# Altium PCB AGRSHUB_PCBV1.1.PcbDoc (part 2 of 2)
Units mm, origin at the board's own origin, x right, y up, seen from the top; angles counter-clockwise.
Board outline 111.76 x 87.63 mm, 2 copper layers (Top Layer, Bottom Layer); 174 components, 133 nets, 585 pads, 133 vias.
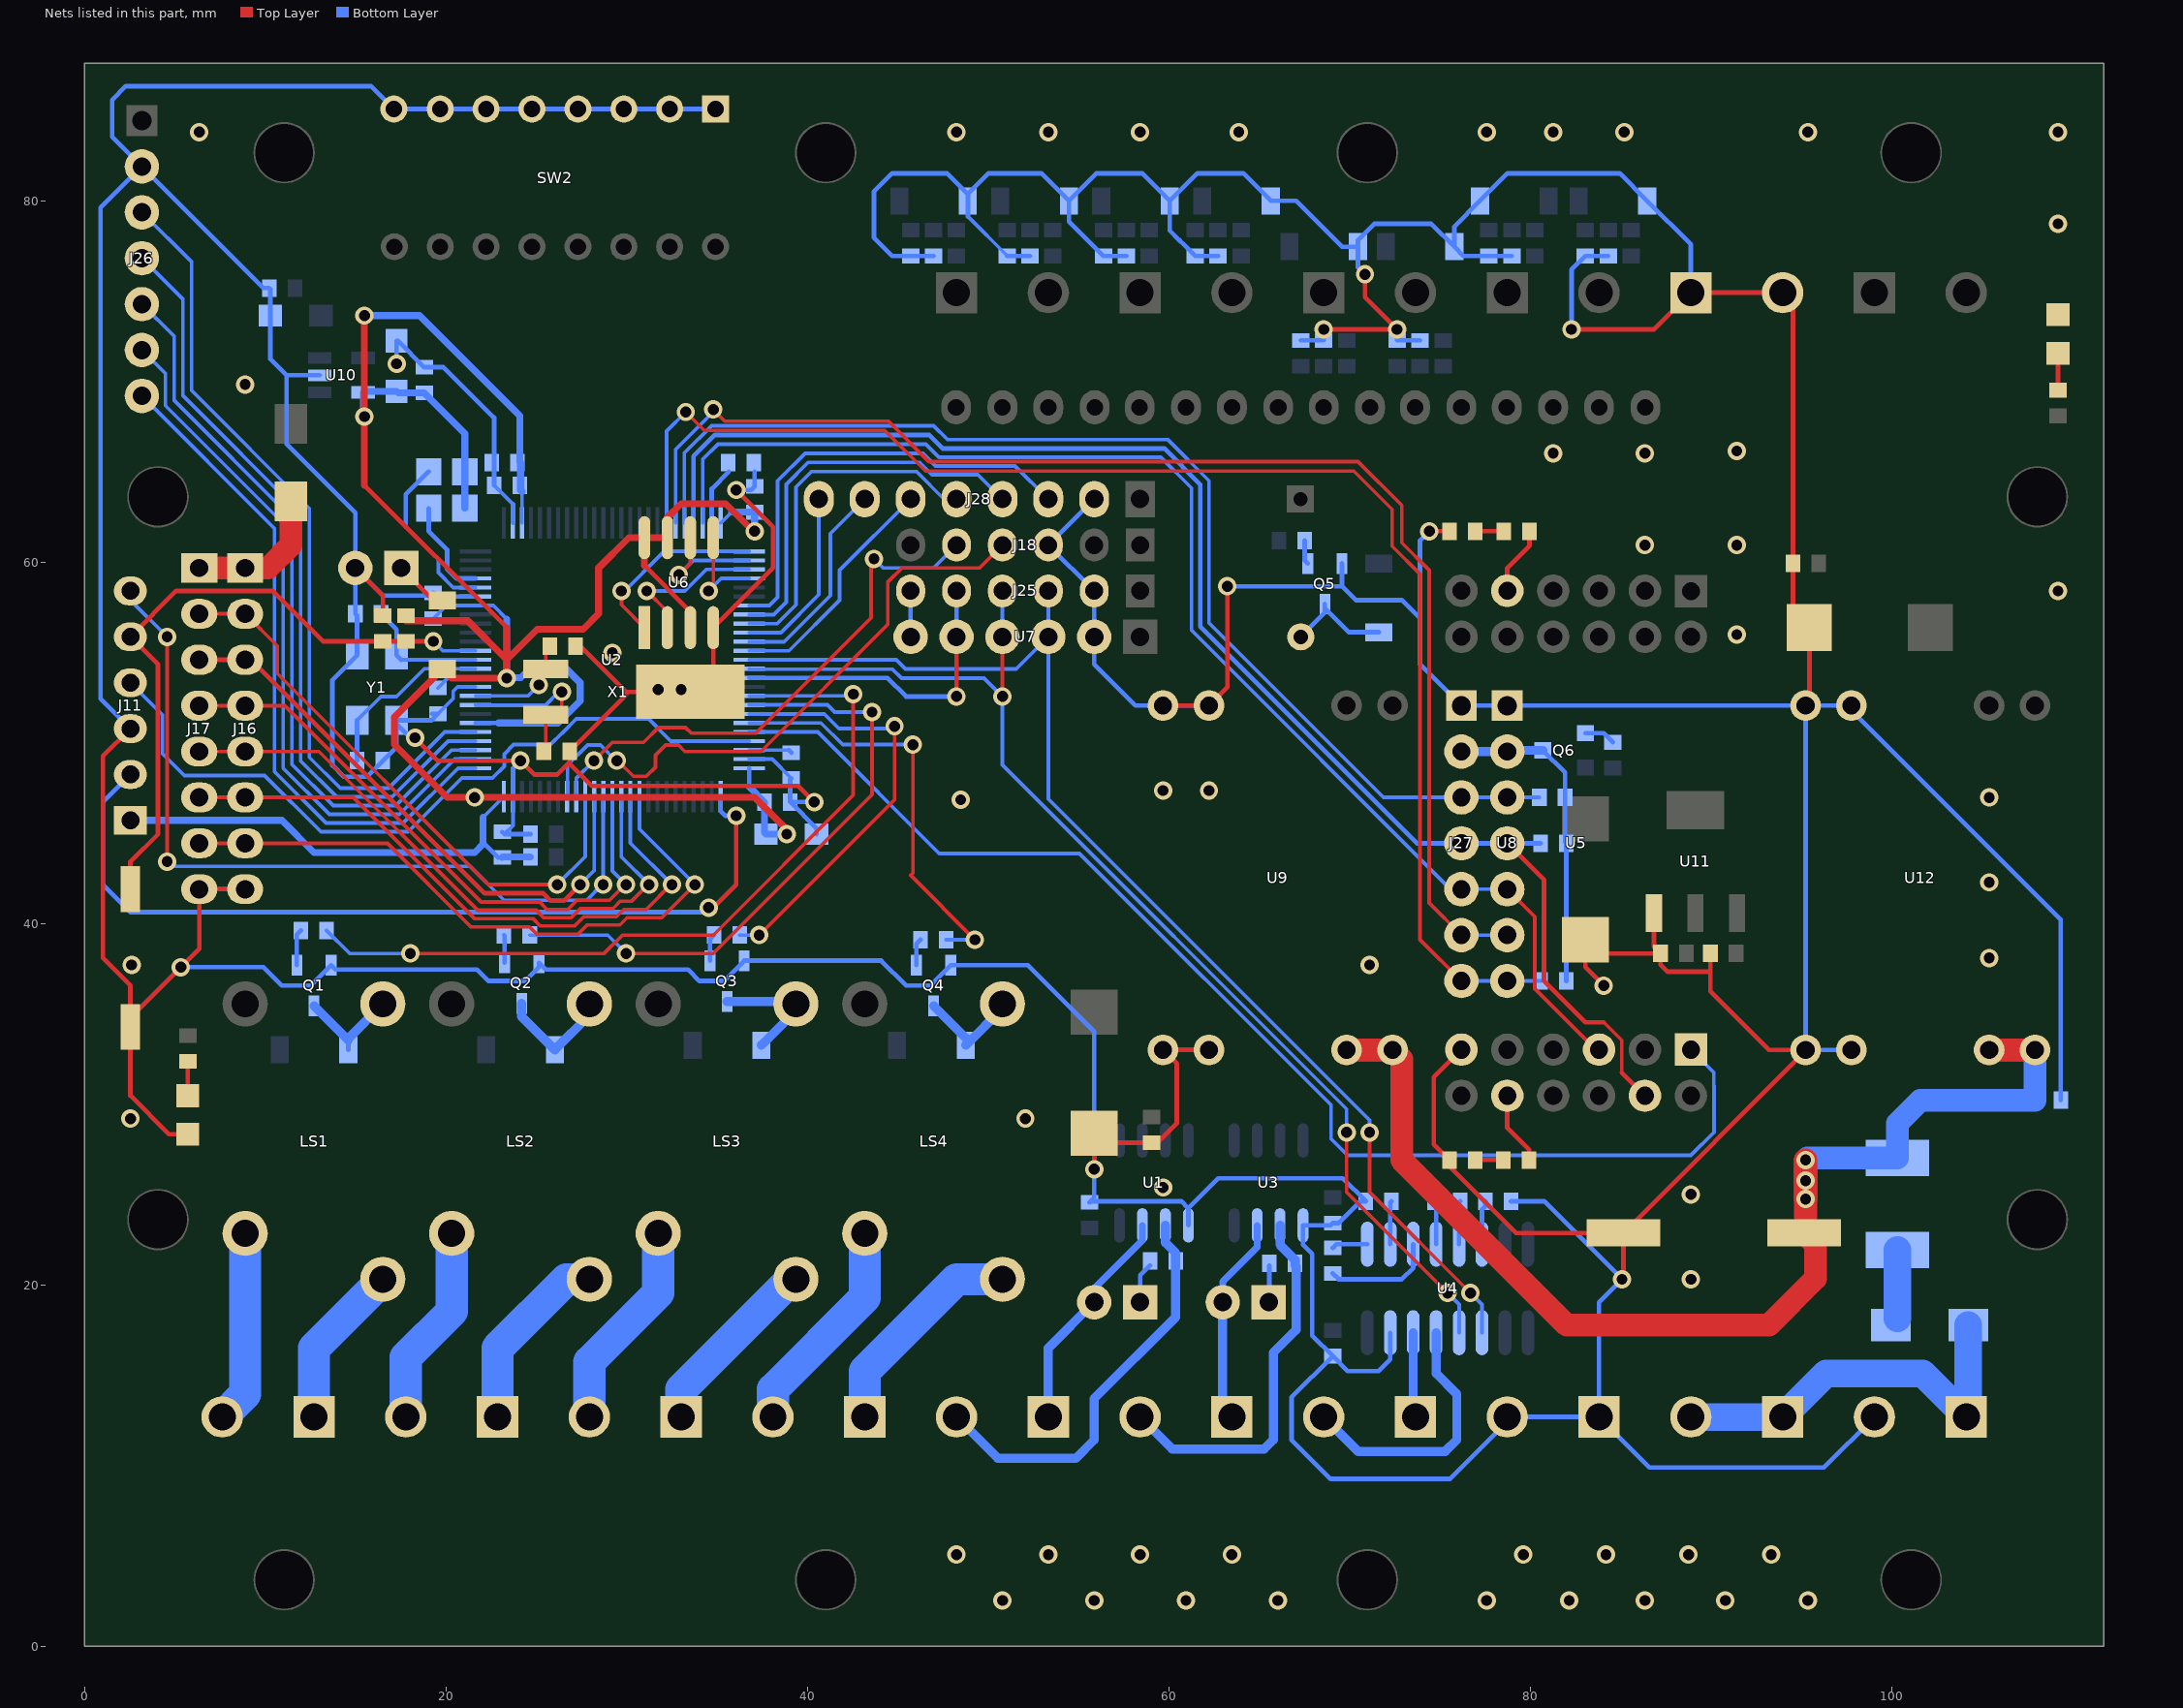
[diagram p2: the nets of this part, all layers, seen from the top]

## Via types
v1: diameter 1.016, hole 0.61, Top Layer to Bottom Layer, 133 vias

## Nets (pads, with @x,y where several pads share a name; then routed paths per layer and width w, separated by ;. In a path a pad name is that pad's centre, name@x,y a point inside that pad or via, vN(x,y) a via of type N, cw(c..) or ccw(c..) an arc to the next point about the centre after c; other vN are vias at no path point) (continued)
GND: C1.1 C2.1 C3.1 C4.1 C5.1 C6.1 C7.1 C8.1 C9.1 C10.1 C11.2 C12.2 C13.2 C14.1 C15.2 C16.1 C17.1 C18.1 C19.1 C20.1 C21.1 C22.1 C23.1 C24.2 C26.2 C28.1 C29.1 C30.2 C31.1 C32.2 C33.2 C34.1 C35.1 C36.2 C37.2 C38.1 C39.2 C40.2 C41.1 C42.1 C43.2 D1.1 D2.1 D5.1 D6.1 D9.1 D10.1 D12.1 D13.1 J11.3 J16.8 J17.8 J18.3 J23.1 J23.2 J25.2 J26.2 J27.1 J28.2 J30.2 J32.1 J32.2 JP1.2 LED1.2 LED2.2 LED3.2 LED4.2 Q1.2 Q2.2 Q3.2 Q4.2 Q5.2 R3.1 R4.1 R7.2 R13.1 R14.1 R18.1 R19.1 R23.1 R24.1 SW1.1 SW2.1 SW2.2 SW2.3 SW2.4 SW2.5 SW2.6 SW2.7 SW2.8 U1.5 U2.10 U2.20 U2.27 U2.74 U2.99 U3.5 U4.15 U5.23 U6.4 U7.2 U8.1 U9.1 U9.2 U9.7 U9.8 U10.2 U11.1 U12.1 U12.2 U12.7 U12.8 X1.3 Y1.2 Y1.4 | length 752.2
  Top Layer w0.254: J11.3@2.54,50.8 1.016,49.276 1.016,38.1 2.54,36.576 SW1.1@2.54,34.798 ; LED3.2@5.715,28.346 4.674,28.346 2.54,30.48 SW1.1@2.54,34.29 SW1.1@2.54,34.798 ; J16.8@8.89,41.91 J17.8@6.35,41.91 6.35,38.608 v1(5.334,37.592) SW1.1@2.54,34.798 ; JP1.2@14.986,59.69 16.51,58.166 C19.1@16.51,57.048 ; v1(18.288,50.292) 19.558,49.022 v1(24.13,49.022) 24.892,48.26 26.162,48.26 26.845,48.943 C12.2@26.845,49.53 ; C15.2@27.178,55.372 27.432,55.372 29.972,52.832 ; v1(36.068,64.008) 38.1,61.976 38.1,59.69 U6.4@34.798,56.388 34.798,54.102 X1.3@33.528,52.832 29.972,52.832 ; v1(40.386,46.736) 39.497,47.625 28.067,47.625 26.845,48.847 C12.2@26.845,49.53 ; v1(55.88,26.416) C30.2@55.88,28.403 56.408,27.875 C31.1@59.055,27.875 59.371,27.875 60.452,28.956 60.452,32.258 U9.1@59.69,33.02 U9.2@62.23,33.02 ; U9.8@59.69,52.07 U9.7@62.23,52.07 63.246,53.086 v1(63.246,58.674) ; v1(68.58,72.898) v1(72.644,72.898) 70.866,74.676 v1(70.866,75.946) ; v1(74.422,61.722) LED1.2@75.54,61.722 ; U5.23@76.2,33.03 74.676,31.506 74.676,27.788 LED2.2@75.54,26.924 75.54,26.568 79.223,22.885 C43.2@85.17,22.885 ; v1(82.296,72.898) 86.868,72.898 J32.1@88.9,74.93 J32.2@93.98,74.93 94.55,74.36 C41.1@94.55,59.944 94.55,57.297 C39.2@95.459,56.388 95.459,52.279 U12.8@95.25,52.07 ; v1(84.074,36.576) 83.058,37.592 C37.2@83.058,39.116 83.82,38.354 C38.1@87.224,38.354 ; v1(85.09,20.32) 85.17,20.4 C43.2@85.17,22.885 ; U11.1@86.854,40.584 86.854,38.724 C38.1@87.224,38.354 ; 89.978,37.338 87.63,37.338 87.224,37.744 C38.1@87.224,38.354 ; C42.1@89.978,38.354 89.978,36.26 93.218,33.02 U12.1@95.25,33.02 95.25,32.965 C43.2@85.17,22.885 ; C12.2@26.845,49.53 29.972,52.657 29.972,52.832
  Bottom Layer w0.203: C7.1@19.558,51.624 20.404,52.47 20.404,52.872 20.642,53.11 U2.10@21.635,53.11 ; C2.1@22.668,64.262 23.71,63.22 ; C4.1@23.241,44.958 23.71,45.427 U2.99@23.71,47.035 ; U2.74@36.785,49.11 38.052,49.11 C13.2@39.116,48.046 ; 48.89,79.146 C9.1@51.054,76.982
  Bottom Layer w0.254: J11.3@2.54,50.8 0.889,52.451 0.889,79.629 J26.2@3.175,81.915 ; v1(5.334,37.592) 9.906,37.592 10.922,36.576 12.525,36.576 Q1.2@13.65,37.701 13.886,37.465 21.717,37.465 22.352,36.83 24.384,36.83 25.146,37.592 Q2.2@25.146,37.846 25.527,37.465 33.401,37.465 34.036,36.83 35.385,36.83 Q3.2@36.51,37.955 44.087,37.955 45.466,36.576 46.815,36.576 Q4.2@47.94,37.701 52.215,37.701 55.88,34.036 v1(55.88,26.416) 55.88,24.83 55.688,24.638 60.706,24.638 61.087,24.257 ; J17.8@6.35,41.91 J16.8@8.89,41.91 ; U10.2@13.024,70.358 11.176,70.358 ; v1(17.272,70.993) 17.272,70.866 C33.2@17.272,72.265 17.335,72.265 C35.1@18.796,70.804 19.874,70.804 22.668,68.01 C2.1@22.668,64.262 ; v1(18.288,50.292) 18.288,50.038 Y1.4@17.272,51.054 ; C7.1@19.242,51.624 C7.1@19.558,51.624 19.191,51.257 Y1.4@17.272,51.257 Y1.4@17.272,51.054 ; U2.20@21.635,58.11 19.512,58.11 C3.1@19.304,58.318 19.152,58.166 16.51,58.166 JP1.2@14.986,59.69 ; C4.1@23.114,45.085 23.241,44.958 R7.2@24.678,44.958 ; U2.99@23.71,47.035 23.71,48.602 v1(24.13,49.022) ; U2.27@23.71,62.185 23.71,63.22 ; SW2.1@34.925,85.09 SW2.2@32.385,85.09 SW2.3@29.845,85.09 SW2.4@27.305,85.09 SW2.5@24.765,85.09 SW2.6@22.225,85.09 SW2.7@19.685,85.09 SW2.8@17.125,85.09 15.855,86.36 2.286,86.36 1.524,85.598 1.524,83.566 J26.2@3.175,81.915 ; v1(36.068,64.008) 36.892,64.008 C6.1@37.084,64.2 37.084,65.024 ; C13.2@39.116,48.046 39.054,47.984 C5.1@39.054,46.736 ; v1(40.386,46.736) C5.1@39.054,46.736 ; C36.2@40.515,44.958 40.515,45.275 C5.1@39.054,46.736 ; R3.1@46.99,76.962 C8.1@45.72,76.962 44.704,76.962 43.688,77.978 43.688,80.518 44.704,81.534 47.738,81.534 D1.1@48.888,80.384 ; 48.89,79.146 48.888,79.146 D1.1@48.888,80.01 D1.1@48.888,80.384 ; C9.1@51.054,76.982 C9.1@51.054,76.962 R4.1@52.324,76.962 ; C1.1@55.626,24.576 C1.1@55.66,24.61 ; J28.2@55.88,63.5 J18.3@53.34,60.96 J25.2@55.88,58.42 U7.2@55.88,55.88 55.88,54.356 58.166,52.07 U9.8@59.69,52.07 U9.7@62.23,52.07 ; R13.1@57.658,76.962 C17.1@56.388,76.962 55.753,77.597 55.748,77.597 55.524,77.82 55.524,77.826 54.476,78.874 D2.1@54.476,80.01 ; U9.1@59.69,33.02 U9.2@62.23,33.02 ; U1.5@61.087,23.304 61.087,24.257 ; R14.1@62.738,76.962 C18.1@61.468,76.962 60.833,77.597 60.828,77.597 60.604,77.82 60.604,77.826 60.064,78.366 D5.1@60.064,80.01 ; v1(63.246,58.674) 69.596,58.674 ; C22.1@67.31,72.288 R18.1@68.58,72.288 v1(68.58,72.898) ; Q5.2@69.596,59.944 69.596,58.674 ; v1(70.866,75.946) 70.478,76.334 D9.1@70.478,77.47 ; U4.15@72.263,17.362 72.263,15.875 71.628,15.24 69.912,15.24 C21.1@69.088,16.064 ; v1(72.644,72.898) C23.1@72.644,72.288 R19.1@73.914,72.288 ; v1(74.422,61.722) 73.914,61.214 73.914,56.896 ; J23.2@78.74,12.7 J23.2@78.994,12.7 ; C26.2@78.954,24.638 80.772,24.638 v1(85.09,20.32) 83.82,19.05 J23.1@83.82,12.7 ; R23.1@78.994,76.962 C28.1@77.724,76.962 76.32,76.962 D10.1@75.812,77.47 ; v1(82.296,72.898) 82.296,76.2 C29.1@83.058,76.962 R24.1@84.328,76.962 ; J32.1@88.9,74.93 88.9,77.59 D13.1@86.48,80.01 84.956,81.534 78.754,81.534 D12.1@77.23,80.01 75.812,78.593 D10.1@75.812,77.47 ; U12.2@97.79,33.02 U12.1@95.25,33.02 U12.8@95.25,52.07 ; J30.2@99.06,12.7 96.266,9.906 86.614,9.906 J23.1@83.82,12.7 ; C40.2@109.372,30.226 109.372,40.234 97.79,51.816 U12.7@97.79,52.07 U12.8@95.25,52.07 ; J26.2@3.175,81.915 9.906,75.184 C34.1@10.222,75.184 10.285,75.121 C32.2@10.285,73.66 10.285,71.249 11.176,70.358 ; 11.176,70.358 11.176,66.548 14.986,62.738 JP1.2@14.986,59.69 ; JP1.2@14.986,59.69 C20.1@14.986,57.15 15.088,57.048 Y1.2@15.088,54.864 13.716,53.492 13.716,48.768 14.351,48.133 15.626,48.133 16.51,49.017 C16.1@16.51,49.022 17.272,49.784 Y1.4@17.272,51.054 ; D1.1@48.888,80.384 50.038,81.534 52.952,81.534 D2.1@54.476,80.01 ; D2.1@54.476,80.01 56,81.534 58.54,81.534 D5.1@60.064,80.01 ; D5.1@60.064,80.01 61.588,81.534 64.128,81.534 D6.1@65.652,80.01 67.056,80.01 69.596,77.47 D9.1@70.478,77.47 ; 61.087,24.257 62.738,25.908 69.636,25.908 C24.2@70.906,24.638 70.612,24.638 69.404,23.43 C14.1@69.088,23.43 68.962,23.304 U3.5@67.437,23.304 67.437,22.225 67.945,21.717 67.945,17.202 69.083,16.064 C21.1@69.088,16.064 ; C21.1@69.088,16.064 66.802,13.778 66.802,11.43 68.961,9.271 75.565,9.271 J23.2@78.994,12.7 ; 69.596,58.674 70.358,57.912 72.898,57.912 73.914,56.896 ; D9.1@70.478,77.47 70.478,77.844 71.374,78.74 74.542,78.74 D10.1@75.812,77.47 ; 73.914,56.896 73.914,54.356 J27.1@76.2,52.07 U8.1@78.74,52.07 U12.8@95.25,52.07 ; J23.2@78.994,12.7 J23.1@83.82,12.7
  other v1: 50.8,2.54 55.88,2.54 60.96,2.54 66.04,2.54 77.597,2.54 82.169,2.54 86.36,2.54 90.805,2.54 95.377,2.54 48.26,5.08 53.34,5.08 58.42,5.08 63.5,5.08 79.629,5.08 84.201,5.08 88.773,5.08 93.345,5.08 88.9,20.32 88.9,25.019 59.69,25.4 2.54,29.21 52.07,29.21 2.608,37.719 71.12,37.719 105.41,38.1 105.41,42.291 48.49,46.863 105.41,46.99 59.69,47.371 62.23,47.371 31.75,52.959 33.02,52.959 29.21,54.991 91.44,56.007 109.22,58.42 86.36,60.96 91.44,60.96 81.28,66.04 86.36,66.04 91.44,66.167 8.89,69.85 109.22,78.74 6.35,83.82 48.26,83.82 53.34,83.82 58.42,83.82 63.881,83.82 77.597,83.82 81.28,83.82 85.217,83.82 95.377,83.82 109.22,83.82
GPS_EN: J25.5 U2.65 U7.5 | length 17.7
  Top Layer w0.254: v1(48.26,52.578) U7.5@48.26,55.88
  Bottom Layer w0.254: U2.65@36.785,53.61 36.788,53.607 44.437,53.607 45.466,52.578 v1(48.26,52.578) ; U7.5@48.26,55.88 J25.5@48.26,58.42
GPS_RX: J25.3 U2.63 U4.11 U7.3 | length 68.5
  Top Layer w0.203: v1(71.12,28.448) 71.12,25.146 v1(76.708,19.558)
  Bottom Layer w0.203: U2.63@36.785,54.61 44.92,54.61 45.428,54.102 51.562,54.102 U7.3@53.34,55.88 ; J25.3@53.34,58.42 U7.3@53.34,55.88 ; v1(71.12,28.448) 71.12,29.123 53.34,46.903 U7.3@53.34,55.88 ; v1(76.708,19.558) 77.343,18.923 U4.11@77.343,17.362
GPS_TX: J25.4 U2.64 U4.12 U7.4 | length 66.2
  Top Layer w0.203: v1(50.8,52.578) U7.4@50.8,55.88 ; v1(69.85,28.448) 69.85,25.146 v1(75.438,19.558)
  Bottom Layer w0.203: U2.64@36.785,54.11 36.802,54.093 37.613,54.093 37.616,54.089 44.717,54.089 45.212,53.594 49.784,53.594 v1(50.8,52.578) 50.8,48.796 69.85,29.746 v1(69.85,28.448) ; U7.4@50.8,55.88 J25.4@50.8,58.42 ; v1(75.438,19.558) 76.073,18.923 U4.12@76.073,17.362
GSM_AVAI: J16.2 J17.2 U2.91 | length 32.4
  Top Layer w0.203: J17.2@6.35,57.15 J16.2@8.89,57.15 10.668,55.372 10.668,53.851 22.355,42.164 v1(26.162,42.164)
  Bottom Layer w0.203: v1(26.162,42.164) 27.71,43.712 U2.91@27.71,47.035
GSM_DTR: J16.4 J17.4 U2.88 | length 34
  Top Layer w0.203: J17.4@6.35,52.07 J16.4@8.89,52.07 11.084,52.07 21.955,41.199 25.187,41.199 25.594,40.792 26.743,40.792 27.251,41.3 29.06,41.3 29.923,42.164 v1(29.972,42.164)
  Bottom Layer w0.203: U2.88@29.21,47.035 29.21,42.926 v1(29.972,42.164)
GSM_KEY: J16.3 J17.3 U2.90 | length 32.2
  Top Layer w0.254: J17.3@6.35,54.61 J16.3@8.89,54.61 9.226,54.61 22.155,41.681 25.387,41.681 25.794,41.275 26.543,41.275 v1(27.432,42.164)
  Bottom Layer w0.203: v1(27.432,42.164) 28.21,42.942 U2.90@28.21,47.035
GSM_RST: J16.7 J17.7 U2.85 | length 36.8
  Top Layer w0.203: J17.7@6.35,44.45 J16.7@8.89,44.45 16.764,44.45 21.387,39.827 24.619,39.827 25.026,39.421 27.311,39.421 27.819,39.929 29.628,39.929 30.034,40.335 31.953,40.335 v1(33.782,42.164)
  Bottom Layer w0.203: U2.85@30.71,47.035 30.71,45.236 v1(33.782,42.164)
GSM_RX: J16.6 J17.6 U2.86 | length 35.9
  Top Layer w0.203: J17.6@6.35,46.99 J16.6@8.89,46.99 14.871,46.99 21.576,40.284 24.809,40.284 25.215,39.878 27.122,39.878 27.63,40.386 29.438,40.386 29.845,40.792 31.092,40.792 32.463,42.164 v1(32.512,42.164)
  Bottom Layer w0.203: U2.86@30.21,47.035 30.21,44.466 v1(32.512,42.164)
GSM_TX: J16.5 J17.5 U2.87 | length 35
  Top Layer w0.203: J17.5@6.35,49.53 J16.5@8.89,49.53 12.977,49.53 21.766,40.742 24.998,40.742 25.404,40.335 26.932,40.335 27.44,40.843 29.249,40.843 29.655,41.25 30.279,41.25 31.193,42.164 v1(31.242,42.164)
  Bottom Layer w0.203: U2.87@29.71,47.035 29.71,43.696 v1(31.242,42.164)
IN0: J26.3 U2.5 | length 45.2
  Bottom Layer w0.203: J26.3@3.175,79.375 5.931,76.619 5.931,69.507 12.446,62.992 12.446,49.212 14.16,47.498 16.828,47.498 19.94,50.61 U2.5@21.635,50.61
IN1: J26.4 U2.4 | length 43.2
  Bottom Layer w0.203: J26.4@3.175,76.835 5.448,74.562 5.448,69.228 11.963,62.713 11.963,49.012 13.96,47.015 17.028,47.015 20.123,50.11 U2.4@21.635,50.11
IN2: J26.5 U2.3 | length 41.3
  Bottom Layer w0.203: J26.5@3.175,74.295 4.966,72.504 4.966,68.948 11.481,62.433 11.481,48.812 13.76,46.533 17.228,46.533 20.305,49.61 U2.3@21.635,49.61
IN3: J26.6 U2.2 | length 39.4
  Bottom Layer w0.203: J26.6@3.175,71.755 4.483,70.447 4.483,68.673 4.481,68.671 10.998,62.154 10.998,48.612 13.56,46.05 17.428,46.05 20.488,49.11 U2.2@21.635,49.11
IN4: J26.7 U2.1 | length 37.4
  Bottom Layer w0.203: J26.7@3.175,69.215 10.516,61.874 10.516,48.412 13.36,45.568 17.628,45.568 20.67,48.61 U2.1@21.635,48.61
LCD_CS: J28.5 U2.59 | length 19.4
  Bottom Layer w0.203: U2.59@36.785,56.61 38.322,56.61 39.37,57.658 39.37,64.167 40.227,65.024 46.044,65.024 47.568,63.5 J28.5@48.26,63.5
LCD_DI: J28.6 U2.62 | length 13.4
  Bottom Layer w0.203: U2.62@36.785,55.11 38.981,55.11 41.783,57.912 41.783,59.563 J28.6@45.72,63.5
LCD_LIGHT: J28.4 U2.58 | length 22.2
  Bottom Layer w0.203: U2.58@36.785,57.11 38.14,57.11 38.837,57.807 38.837,64.316 40.052,65.532 46.219,65.532 46.892,64.859 49.441,64.859 J28.4@50.8,63.5
LCD_PWR: J28.3 U2.57 | length 24.9
  Bottom Layer w0.203: U2.57@36.785,57.61 37.897,57.61 38.354,58.067 38.354,64.516 39.878,66.04 46.393,66.04 47.092,65.341 51.498,65.341 J28.3@53.34,63.5
LCD_RST: J28.8 U2.60 | length 10
  Bottom Layer w0.203: U2.60@36.785,56.11 38.537,56.11 40.64,58.213 J28.8@40.64,63.5
LCD_SCK: J28.7 U2.61 | length 11.7
  Bottom Layer w0.203: U2.61@36.785,55.61 38.719,55.61 41.275,58.166 41.275,61.595 J28.7@43.18,63.5
M*A: J12.2 R12.1 U3.6 | length 21.1
  Bottom Layer w0.254: R12.1@66.994,21.082 R12.1@67.056,21.02
  Bottom Layer w0.508: J12.2@58.42,12.7 60.198,10.922 65.278,10.922 65.786,11.43 65.786,16.256 67.056,17.526 R12.1@67.056,21.02 ; U3.6@66.167,23.304 66.167,22.225 66.994,21.398 R12.1@66.994,21.082
M*B: J12.1 U3.7 W3.2 | length 11.6
  Bottom Layer w0.381: W3.2@62.992,19.05 62.992,20.193 64.897,22.098 U3.7@64.897,23.304
  Bottom Layer w0.508: W3.2@62.992,19.05 62.992,13.208 J12.1@63.5,12.7
NetB1_1: B1.1 U2.22 | length 5.6
  Bottom Layer w0.254: B1.1@19.05,62.992 19.05,61.722 20.066,60.706 20.066,59.631 20.587,59.11 U2.22@21.635,59.11
NetB2_1: B2.1 U2.21 | length 9.3
  Bottom Layer w0.203: 17.78,61.976 19.583,60.173 19.583,59.431 20.404,58.61 U2.21@21.635,58.61
  Bottom Layer w0.254: 17.78,61.976 17.78,63.754 B2.1@19.05,65.024
NetBUZZ1_2: BUZZ1.2 D15.1 Q5.3 | length 5.9
  Bottom Layer w0.254: BUZZ1.2@67.31,55.88 68.646,57.216 Q5.3@68.646,57.455 ; Q5.3@68.646,57.694 Q5.3@68.646,57.455 ; D15.1@71.628,56.134 69.967,56.134 Q5.3@68.646,57.455
NetC11_1: C11.1 U2.49 | length 3.2
  Bottom Layer w0.254: U2.49@34.71,62.185 34.71,64.072 35.662,65.024
NetC12_1: C12.1 U2.8 X1.1 | length 9.1
  Top Layer w0.203: C12.1@25.422,49.53 25.528,49.636 X1.1@25.528,51.562 26.036,51.562 26.416,51.942 v1(26.416,52.832)
  Bottom Layer w0.203: U2.8@21.635,52.11 21.65,52.095 25.505,52.095 26.242,52.832 v1(26.416,52.832)
NetC13_1: C13.1 U2.73 | length 2.4
  Bottom Layer w0.203: U2.73@36.785,49.61 C13.1@38.974,49.61
  Bottom Layer w0.254: C13.1@38.974,49.61 C13.1@39.116,49.468
NetC15_1: C15.1 U2.9 X1.2 | length 6.2
  Top Layer w0.203: v1(25.146,53.213) 25.146,53.72 X1.2@25.528,54.102 25.528,55.144 C15.1@25.756,55.372
  Bottom Layer w0.203: U2.9@21.635,52.61 24.543,52.61 v1(25.146,53.213)
NetC16_2: C16.2 U2.12 Y1.1 | length 10
  Bottom Layer w0.203: Y1.1@15.088,51.257 16.408,52.578 17.272,52.578 18.804,54.11 U2.12@21.635,54.11
  Bottom Layer w0.254: C16.2@15.088,49.022 Y1.1@15.088,51.257
NetC20_2: C20.2 U2.13 Y1.3 | length 7.1
  Bottom Layer w0.203: Y1.3@17.526,54.61 U2.13@21.635,54.61
  Bottom Layer w0.254: C20.2@16.408,57.15 17.272,56.286 Y1.3@17.272,54.864 Y1.3@17.526,54.61
NetC24_1: C24.1 U4.2 | length 2.4
  Bottom Layer w0.254: U4.2@72.263,22.262 72.263,24.573 C24.1@72.328,24.638
NetC25_1: C25.1 U4.3 | length 6.1
  Bottom Layer w0.254: C25.1@69.088,20.636 69.404,20.32 72.898,20.32 73.533,20.955 U4.3@73.533,22.262
NetC25_2: C25.2 U4.1 | length 2
  Bottom Layer w0.254: C25.2@69.088,22.058 69.292,22.262 U4.1@70.993,22.262
NetC26_1: C26.1 U4.6 | length 2.5
  Bottom Layer w0.254: U4.6@77.343,22.262 77.343,24.195 77.532,24.384 C26.1@77.532,24.638
NetC27_1: C27.1 U4.5 | length 2.4
  Bottom Layer w0.254: U4.5@76.073,22.262 76.073,24.573 C27.1@76.138,24.638
NetC27_2: C27.2 U4.4 | length 2.4
  Bottom Layer w0.254: C27.2@74.716,24.638 74.803,24.551 U4.4@74.803,22.262
NetD3_1: D3.1 JP1.1 | length 3
  Top Layer w0.254: JP1.1@17.526,59.69 19.318,57.898 D3.1@19.812,57.898
NetD4_1: D4.1 LS1.2 Q1.3 | length 6
  Bottom Layer w0.254: D4.1@14.598,33.02 14.598,33.553 D4.1@14.598,33.648
  Bottom Layer w0.508: Q1.3@12.7,35.451 D4.1@14.598,33.553 ; D4.1@14.598,33.648 LS1.2@16.51,35.56
NetD7_1: D7.1 LS2.2 Q2.3 | length 6.7
  Bottom Layer w0.254: LS2.2@27.94,34.932 LS2.2@27.94,35.56
  Bottom Layer w0.508: Q2.3@24.196,35.596 24.196,34.852 D7.1@26.028,33.02 LS2.2@27.94,34.932
NetD8_2: D8.2 J16.1 J17.1 | length 8
  Top Layer w1.27: J17.1@6.35,59.69 J16.1@8.89,59.69 10.16,59.69 11.43,60.96 D8.2@11.43,63.384
NetD11_1: D11.1 LS3.2 Q3.3 | length 7
  Bottom Layer w0.254: LS3.2@39.038,35.705 LS3.2@39.37,35.373 ; LS3.2@39.37,35.186 LS3.2@39.37,35.373 ; LS3.2@39.37,35.56 LS3.2@39.37,35.373
  Bottom Layer w0.508: Q3.3@35.56,35.705 LS3.2@39.038,35.705 ; D11.1@37.458,33.274 LS3.2@39.37,35.186
NetD14_1: D14.1 LS4.2 Q4.3 | length 6
  Bottom Layer w0.254: D14.1@48.768,33.274 D14.1@48.768,33.673 ; LS4.2@50.8,35.306 LS4.2@50.8,35.56
  Bottom Layer w0.508: Q4.3@46.99,35.451 D14.1@48.768,33.673 ; D14.1@48.768,33.274 LS4.2@50.8,35.306
NetD16_2: D16.2 PPTC1.1 | length 4.3
  Bottom Layer w0.254: D16.2@99.96,17.78 D16.2@100.33,18.15
  Bottom Layer w1.524: D16.2@100.33,18.15 PPTC1.1@100.33,21.938
NetJ4_1: J4.1 LS1.4 | length 9.2
  Bottom Layer w1.778: J4.1@12.7,12.7 12.7,16.51 LS1.4@16.51,20.32
NetJ4_2: J4.2 LS1.3 | length 10.7
  Bottom Layer w1.778: J4.2@7.62,12.7 8.89,13.97 LS1.3@8.89,22.86
NetJ13_1: J13.1 LS2.4 | length 10.5
  Bottom Layer w1.778: J13.1@22.86,12.7 22.86,16.51 26.67,20.32 LS2.4@27.94,20.32
NetJ13_2: J13.2 LS2.3 | length 11.2
  Bottom Layer w1.778: J13.2@17.78,12.7 17.78,16.002 20.32,18.542 LS2.3@20.32,22.86
NetJ19_1: J19.1 LS3.4 | length 10.4
  Bottom Layer w1.778: J19.1@33.02,12.7 33.02,14.224 39.116,20.32 LS3.4@39.37,20.32
NetJ19_2: J19.2 LS3.3 | length 11.7
  Bottom Layer w1.778: J19.2@27.94,12.7 27.94,15.748 31.75,19.558 LS3.3@31.75,22.86
NetJ24_1: J24.1 LS4.4 | length 12.3
  Bottom Layer w1.778: J24.1@43.18,12.7 43.18,15.24 48.26,20.32 LS4.4@50.8,20.32
NetJ24_2: J24.2 LS4.3 | length 12.3
  Bottom Layer w1.778: J24.2@38.1,12.7 38.1,14.224 43.18,19.304 LS4.3@43.18,22.86
NetJ25_6: J25.6 U7.6 | length 2.5
  Bottom Layer w0.254: U7.6@45.72,55.88 J25.6@45.72,58.42
NetJ27_2: J27.2 Q6.3 R30.2 R31.2 R32.2 U8.2 | length 17.8
  Bottom Layer w0.254: U8.2@78.74,49.53 U8.2@78.806,49.596 ; Q6.3@80.708,49.596 81.94,48.364 R30.2@81.94,46.99 81.94,44.512 R31.2@82.002,44.45 R32.2@82.002,36.83
  Bottom Layer w0.508: J27.2@76.2,49.53 U8.2@78.74,49.53 ; U8.2@78.806,49.596 Q6.3@80.708,49.596
NetLED1_1: LED1.1 R26.1 | length 1.6
  Top Layer w0.254: LED1.1@76.962,61.722 R26.1@78.548,61.722
NetLED2_1: LED2.1 R28.2 | length 1.6
  Top Layer w0.254: LED2.1@76.962,26.924 R28.2@78.526,26.924
NetLED3_1: LED3.1 R33.1 | length 1.9
  Top Layer w0.254: LED3.1@5.715,30.48 R33.1@5.715,32.385
NetLED4_1: LED4.1 R34.1 | length 2
  Top Layer w0.254: R34.1@109.22,69.534 LED4.1@109.22,71.577
NetQ1_1: Q1.1 R8.2 | length 2
  Bottom Layer w0.254: Q1.1@11.75,37.701 11.75,39.396 R8.2@11.978,39.624
NetQ2_1: Q2.1 R15.2 | length 1.5
  Bottom Layer w0.254: R15.2@23.216,39.37 23.246,39.34 Q2.1@23.246,37.846
NetQ3_1: Q3.1 R22.2 | length 1.5
  Bottom Layer w0.254: Q3.1@34.61,37.955 34.61,39.142 R22.2@34.838,39.37
NetQ4_1: Q4.1 R25.2 | length 1.5
  Bottom Layer w0.254: Q4.1@46.04,37.701 46.04,38.888 R25.2@46.268,39.116
NetQ5_1: Q5.1 R27.2 | length 1.3
  Bottom Layer w0.254: R27.2@67.524,61.214 67.524,60.116 Q5.1@67.696,59.944
NetR5_2: R5.2 W1.1 | length 2.3
  Bottom Layer w0.254: W1.1@58.42,19.05 58.42,20.534 R5.2@58.968,21.082
NetR12_2: R12.2 W3.1 | length 2
  Bottom Layer w0.254: W3.1@65.532,19.05 65.572,19.09 R12.2@65.572,21.082
NetR26_2: R26.2 U5.9 | length 3.8
  Top Layer w0.254: U5.9@78.74,58.43 78.74,59.69 79.97,60.92 R26.2@79.97,61.722
NetR28_1: R28.1 U5.22 | length 4.1
  Top Layer w0.254: U5.22@78.74,30.48 78.74,28.702 79.948,27.494 R28.1@79.948,26.924
NRST: C19.2 J11.5 R11.1 SW1.2 U2.14 | length 36.8
  Top Layer w0.254: SW1.2@2.54,41.91 2.54,43.434 4.064,44.958 4.064,54.356 J11.5@2.54,55.88 5.08,58.42 10.414,58.42 13.208,55.626 C19.2@16.51,55.626 R11.1@17.78,55.626 v1(19.304,55.626)
  Bottom Layer w0.203: v1(19.304,55.626) 19.82,55.11 U2.14@21.635,55.11
REL0: R8.1 U2.67 | length 44.9
  Top Layer w0.203: v1(18.034,38.354) 28.751,38.354 29.767,39.37 34.798,39.37 42.545,47.117 v1(42.545,52.705)
  Bottom Layer w0.203: R8.1@13.4,39.624 14.67,38.354 v1(18.034,38.354) ; U2.67@36.785,52.61 42.64,52.61 v1(42.545,52.705)
REL1: R15.1 U2.68 | length 34.5
  Top Layer w0.203: v1(29.972,38.354) 34.798,38.354 43.586,47.142 v1(43.586,51.714)
  Bottom Layer w0.203: R15.1@24.638,39.37 28.956,39.37 v1(29.972,38.354) ; U2.68@36.785,52.11 41.123,52.11 41.519,51.714 v1(43.586,51.714)
REL2: R22.1 U2.69 | length 24.2
  Top Layer w0.203: v1(37.338,39.37) 44.831,46.863 v1(44.831,50.927)
  Bottom Layer w0.203: R22.1@36.26,39.37 v1(37.338,39.37) ; U2.69@36.785,51.61 40.941,51.61 41.751,50.8 44.704,50.8 v1(44.831,50.927)
REL3: R25.1 U2.70 | length 23.5
  Top Layer w0.203: v1(45.847,49.911) 45.847,42.799 45.72,42.672 v1(49.276,39.116)
  Bottom Layer w0.203: U2.70@36.785,51.11 40.758,51.11 41.957,49.911 v1(45.847,49.911) ; R25.1@47.69,39.116 v1(49.276,39.116)
RF_AUX: J27.6 U2.45 U8.6 | length 75.1
  Top Layer w0.203: v1(34.798,68.461) 35.441,67.818 44.494,67.818 46.729,65.583 70.47,65.583 72.898,63.155 72.898,61.087 74.422,59.563 74.422,41.148 J27.6@76.2,39.37
  Bottom Layer w0.203: U2.45@32.71,62.185 32.71,66.253 34.798,68.341 v1(34.798,68.461) ; J27.6@76.2,39.37 U8.6@78.74,39.37
RF_EN: Q6.1 R29.1 | length 1.7
  Bottom Layer w0.254: Q6.1@83.058,50.546 84.074,50.546 R29.1@84.582,50.038
RF_RX: J27.4 R31.1 U2.47 U5.16 U8.4 | length 82.8
  Top Layer w0.203: 84.082,34.544 85.076,33.55 85.076,31.764
  Top Layer w0.254: U8.4@78.74,44.45 80.772,42.418 80.772,36.83 83.058,34.544 84.082,34.544 ; 85.076,31.764 U5.16@86.36,30.48
  Bottom Layer w0.254: U2.47@33.71,62.185 33.71,65.888 34.878,67.056 46.742,67.056 47.491,66.307 59.757,66.307 61.747,64.316 61.747,56.442 73.74,44.45 J27.4@76.2,44.45 U8.4@78.74,44.45 R31.1@80.58,44.45
RF_SETA: J27.3 R30.1 U2.46 U8.3 | length 65
  Bottom Layer w0.203: U2.46@33.21,62.185 33.198,62.197 33.198,66.059 34.703,67.564 46.99,67.564 47.752,66.802 59.944,66.802 62.23,64.516 62.23,56.642 71.882,46.99 J27.3@76.2,46.99 U8.3@78.74,46.99 R30.1@80.518,46.99
RF_SETB: J27.7 R32.1 U2.44 U8.7 | length 80
  Top Layer w0.203: v1(33.274,68.326) 34.29,67.31 44.283,67.31 46.544,65.049 70.249,65.049 72.366,62.932 72.366,60.9 73.914,59.353 73.914,39.116 J27.7@76.2,36.83
  Bottom Layer w0.203: U2.44@32.21,62.185 32.21,67.262 v1(33.274,68.326) ; J27.7@76.2,36.83 U8.7@78.74,36.83 R32.1@80.58,36.83
RF_TX: J27.5 U2.48 U5.17 U8.5 | length 74.3
  Top Layer w0.203: U8.5@78.74,41.91 80.264,40.386 80.264,36.402 83.636,33.03 U5.17@83.82,33.03
  Bottom Layer w0.203: U2.48@34.21,62.185 34.21,65.706 35.052,66.548 46.568,66.548 47.292,65.824 59.557,65.824 61.265,64.116 61.265,56.242 75.597,41.91 J27.5@76.2,41.91 U8.5@78.74,41.91
RS232_RX*: J20.1 U4.14 | length 4.7
  Bottom Layer w0.254: J20.1@73.533,12.827 J20.1@73.66,12.7
  Bottom Layer w0.508: J20.1@73.533,12.827 U4.14@73.533,17.362
RS232_TX*: J20.2 U4.13 | length 14.8
  Bottom Layer w0.508: J20.2@68.58,12.7 70.485,10.795 75.311,10.795 75.946,11.43 75.946,13.97 74.803,15.113 U4.13@74.803,17.362
S*A: J7.2 R5.1 U1.6 | length 23
  Bottom Layer w0.508: J7.2@48.26,12.7 50.546,10.414 54.864,10.414 55.88,11.43 55.88,13.716 60.39,18.226 60.39,21.779 59.817,22.352 U1.6@59.817,23.304
S*B: J7.1 U1.7 W1.2 | length 12.8
  Bottom Layer w0.254: W1.2@55.88,19.05 W1.2@55.88,19.812
  Bottom Layer w0.381: W1.2@55.88,19.812 58.547,22.479 U1.7@58.547,23.304
  Bottom Layer w0.508: J7.1@53.34,12.7 53.34,16.51 W1.2@55.88,19.05
SPI2_SCK: U2.52 U6.6 | length 6.5
  Top Layer w0.203: v1(32.893,59.309) 33.528,59.944 U6.6@33.528,61.366
  Bottom Layer w0.203: v1(32.893,59.309) 33.694,60.11 U2.52@36.785,60.11
SPI2_SI: U2.54 U6.5 | length 5.6
  Top Layer w0.203: v1(34.544,58.42) 34.798,58.674 U6.5@34.798,61.366
  Bottom Layer w0.203: v1(34.544,58.42) 35.234,59.11 U2.54@36.785,59.11
SPI2_SO: U2.53 U6.2 | length 8.7
  Top Layer w0.203: v1(31.115,58.42) 32.258,57.277 U6.2@32.258,56.388
  Bottom Layer w0.203: v1(31.115,58.42) 33.225,58.42 34.415,59.61 U2.53@36.785,59.61
SST_CS: U2.51 U6.1 | length 10.8
  Top Layer w0.203: v1(29.718,58.42) 29.718,57.658 U6.1@30.988,56.388
  Bottom Layer w0.203: v1(29.718,58.42) 29.718,58.244 32.084,60.61 U2.51@36.785,60.61
SWCLK: J11.2 U2.76 | length 48.6
  Top Layer w0.254: v1(34.544,40.894) 34.798,40.894 36.068,42.164 v1(36.068,45.974)
  Bottom Layer w0.254: J11.2@2.54,48.26 1.016,46.736 1.016,42.164 2.54,40.64 34.29,40.64 v1(34.544,40.894) ; U2.76@35.21,47.035 35.21,46.228 35.464,45.974 v1(36.068,45.974)
SWDIO: J11.4 U2.72 | length 42.4
  Bottom Layer w0.203: J11.4@2.54,53.34 4.318,51.562 4.318,49.403 5.524,48.197 9.97,48.197 13.081,45.085 17.907,45.085 20.885,48.063 22.58,48.063 23.227,48.71 23.227,49.389 23.749,49.911 25.781,49.911 26.434,50.564 26.444,50.564 27.214,51.333 31.217,51.333 32.44,50.11 U2.72@36.785,50.11
SWO: J11.6 U2.89 | length 46.4
  Top Layer w0.203: v1(4.572,43.434) v1(4.572,55.88)
  Bottom Layer w0.203: J11.6@2.54,58.42 2.54,57.912 v1(4.572,55.88) ; v1(4.572,43.434) 4.435,43.18 21.336,43.18 23.216,41.3 27.79,41.3 28.653,42.164 v1(28.702,42.164) 28.71,42.172 U2.89@28.71,47.035
UART1_RX: J18.4 U2.93 | length 34.4
  Top Layer w0.203: v1(29.464,49.022) 29.513,49.022 30.376,48.158 31.092,48.158 31.598,48.664 31.598,49.329 32.154,49.886 32.87,49.886 33.225,49.53 37.43,49.53 44.45,56.55 44.45,58.899 45.241,59.69 49.53,59.69 J18.4@50.8,60.96
  Bottom Layer w0.203: U2.93@26.71,47.035 26.727,47.052 26.727,48.777 27.836,49.886 28.552,49.886 29.415,49.022 v1(29.464,49.022)
UART1_TX: J18.5 U2.92 | length 29.9
  Top Layer w0.203: v1(28.194,49.022) 29.21,50.038 30.942,50.038 31.754,50.851 33.27,50.851 33.574,50.546 37.153,50.546 43.536,56.928 43.536,60.046 v1(43.688,60.198)
  Bottom Layer w0.203: U2.92@27.21,47.035 27.21,48.038 v1(28.194,49.022) ; v1(43.688,60.198) 44.196,59.69 46.99,59.69 J18.5@48.26,60.96
VCC3V3: B1.2 B2.2 C2.2 C3.2 C4.2 C5.2 C6.2 C7.2 C10.2 C33.1 C35.2 C36.1 D3.2 J11.1 R6.2 R11.2 U2.6 U2.11 U2.19 U2.28 U2.50 U2.75 U2.100 U6.3 U6.7 U6.8 U10.5 | length 179.1
  Top Layer w0.254: 15.494,64.262 23.368,56.388 ; 30.988,59.817 U6.3@33.528,57.277
  Top Layer w0.381: 15.494,64.262 v1(15.494,68.072) v1(15.494,73.66) ; R11.2@17.78,57.048 17.78,56.769 21.209,56.769 23.368,54.61 ; 23.368,56.388 23.368,54.61 ; 30.988,59.817 U6.8@30.988,61.366 ; U6.3@33.528,56.388 U6.3@33.528,57.277 ; v1(37.084,61.722) 37.007,61.722 35.483,63.246 33.02,63.246 32.258,62.484 U6.7@32.258,61.366 U6.8@30.988,61.366 ; v1(38.862,44.958) 38.862,45.212 37.084,46.99 20.066,46.99 17.145,49.911 17.145,51.435 D3.2@19.812,54.102 20.32,53.594 v1(23.368,53.594) 23.368,54.61 ; 23.368,54.61 25.057,56.299 27.597,56.299 28.448,57.15 28.448,59.69 30.124,61.366 U6.8@30.988,61.366
  Bottom Layer w0.203: C3.2@19.304,56.896 20.018,57.61 U2.19@21.635,57.61 22.628,57.61 23.368,56.87 ; C7.2@19.558,53.046 20.122,53.61 U2.11@21.635,53.61 v1@23.368,53.61 ; v1@21.635,47.035 U2.100@23.21,47.035 22.058,45.883 ; U2.28@24.21,62.185 C2.2@24.21,63.928 ; U2.50@35.21,62.185 35.803,62.778
  Bottom Layer w0.254: U2.6@21.635,51.11 22.916,51.11 ; 22.058,44.49 22.885,43.663 C4.2@23.114,43.663 ; 36.785,47.583 U2.75@36.785,48.61
  Bottom Layer w0.381: J11.1@2.54,45.72 10.922,45.72 12.7,43.942 21.59,43.942 22.058,44.41 22.058,45.883 ; v1(15.494,68.072) 15.424,68.142 U10.5@15.424,69.408 15.483,69.467 C33.1@17.272,69.467 17.358,69.382 C35.2@18.796,69.382 21.05,67.128 B2.2@21.05,65.024 B1.2@21.05,62.992 ; v1(15.494,73.66) 18.542,73.66 24.09,68.112 C10.2@24.09,65.532 ; v1(21.59,46.99) v1@21.635,47.035 ; 22.916,51.11 26.218,51.11 27.432,52.324 27.432,53.34 26.543,54.229 24.765,54.229 24.146,53.61 23.368,53.61 23.368,56.87 ; C4.2@23.114,43.663 23.139,43.688 R6.2@24.678,43.688 ; C10.2@24.13,65.532 24.13,64.008 C2.2@24.21,63.928 ; 35.803,62.778 C6.2@37.084,62.778 v1(37.084,61.722) ; 36.785,47.583 C5.2@37.632,46.736 37.632,45.044 C36.1@37.717,44.958 39.116,44.958 v1(38.862,44.958)
VIN: D16.1 J29.1 J29.2 J30.1 | length 22.4
  Bottom Layer w0.254: J30.1@104.14,12.7 J30.1@104.256,12.816
  Bottom Layer w1.524: J29.2@88.9,12.7 J29.1@93.98,12.7 96.393,15.113 101.727,15.113 J30.1@104.14,12.7 ; J30.1@104.256,12.816 D16.1@104.256,17.78
VPOW: C40.1 C43.1 PPTC1.2 U9.3 U9.4 U12.3 U12.4 | length 70.4
  Top Layer w1.27: U9.3@69.85,33.02 U9.4@72.39,33.02 72.898,32.512 72.898,26.924 82.042,17.78 93.218,17.78 95.799,20.361 95.799,22.25 C43.1@95.164,22.885 ; 95.25,23.708 v1(95.25,26.924) ; U12.3@105.41,33.02 U12.4@107.95,33.02
  Bottom Layer w1.27: U9.3@69.85,33.02 U9.4@72.39,33.02 ; v1(95.25,24.765) v1(95.25,26.924) 95.359,27.033 PPTC1.2@100.33,27.033 100.33,28.956 101.6,30.226 C40.1@107.95,30.226 U12.4@107.95,33.02 U12.3@105.41,33.02
  other v1: 95.25,25.781
ZIG_NRST: U2.71 U5.13 | length 69.8
  Bottom Layer w0.203: U2.71@36.785,50.61 40.576,50.61 47.295,43.891 55.059,43.891 68.986,29.963 68.986,28.09 69.899,27.178 88.9,27.178 90.181,28.459 90.181,31.022 90.17,31.033 90.17,31.76 U5.13@88.9,33.03
pads on no net: H1.1 H2.1 H3.1 H4.1 H5.1 H6.1 H7.1 H8.1 H9.1 H10.1 H11.1 H12.1 U2.7 U2.15 U2.16 U2.17 U2.18 U2.33 U2.34 U2.55 U2.56 U2.66 U2.81 U2.84 U2.97 U2.98 U4.7 U4.8 U4.9 U4.10 U5.1 U5.2 U5.3 U5.4 U5.5 U5.6 U5.7 U5.8 U5.10 U5.11 U5.12 U5.14 U5.15 U5.18 U5.19 U5.20 U5.21 U10.4

## Polygon pours and split planes (outlines as drawn)
GND on Top Layer "Bottom Layer-No Net" (hatched 90Degree grid 0.508 track 0.254, pour order 4): 0.508,86.868 111.252,86.868 111.252,0.508 0.508,0.508
GND on Bottom Layer "Bottom Layer-No Net" (hatched 90Degree grid 0.508 track 0.254, pour order 6): 0.508,86.868 111.252,86.868 111.252,0.508 0.508,0.508

## Keep-outs
Keep-Out Layer:
  the board outline again, w0.254

## Other copper
Top Layer:
  region net 3V3: 88.392,42.291 86.868,43.815 86.995,43.942 88.392,43.942
  region net 3V3: 87.376,50.8 82.296,50.8 81.534,50.038 81.534,44.45 82.296,43.688 89.408,43.688 87.376,45.72
  region net 3V3: 87.376,50.8 87.376,45.212 88.392,44.196 88.392,39.624 90.17,39.624 90.17,42.095 91.763,43.688 94.996,43.688 95.758,44.45 95.758,49.784 94.742,50.8
  pour cut-out: 0,26.67 49.53,26.67 53.975,22.225 53.975,19.05 50.165,15.24 48.26,15.24 46.355,13.335 46.355,0 0,0
Bottom Layer:
  pour cut-out: 101.092,18.796 103.124,18.796 103.124,15.748 101.092,15.748
  pour cut-out: 98.044,25.908 102.616,25.908 102.616,23.114 98.044,23.114
  pour cut-out: 0,26.67 49.53,26.67 53.975,22.225 53.975,19.05 50.165,15.24 48.26,15.24 46.355,13.335 46.355,0 0,0
  text "DEMETER SensorHUB V1.1 12/2015" at 49.276,28.448 h1.52

## Silkscreen, mask and mechanical layers (free items; w line width, h text height)
Mechanical 2:
  circle w0.013: c-12.01,43.717 r4.5
  circle w0.013: c-12.01,43.717 r2
  circle w0.013: c123.99,43.717 r4.5
  circle w0.013: c123.99,43.717 r2
  circle w0.013: c100.99,82.717 r1.25
  circle w0.013: c100.99,82.717 r3
  circle w0.013: c70.99,82.717 r1.25
  circle w0.013: c70.99,82.717 r3
  circle w0.013: c40.99,82.717 r1.25
  circle w0.013: c40.99,82.717 r3
  circle w0.013: c10.99,3.717 r1.25
  circle w0.013: c10.99,3.717 r3
  circle w0.013: c107.99,23.717 r1.25
  circle w0.013: c107.99,23.717 r3
  circle w0.013: c3.99,23.717 r1.25
  circle w0.013: c3.99,23.717 r3
  circle w0.013: c3.99,63.717 r1.25
  circle w0.013: c3.99,63.717 r3
  circle w0.013: c107.99,63.717 r1.25
  circle w0.013: c107.99,63.717 r3
  circle w0.013: c10.99,82.717 r1.25
  circle w0.013: c10.99,82.717 r3
  circle w0.013: c40.99,3.717 r1.25
  circle w0.013: c40.99,3.717 r3
  circle w0.013: c70.99,3.717 r1.25
  circle w0.013: c70.99,3.717 r3
  circle w0.013: c100.99,3.717 r1.25
  circle w0.013: c100.99,3.717 r3
  circle w0.013: c-13.51,85.217 r2
  circle w0.013: c125.49,85.217 r2
  circle w0.013: c125.49,1.641 r2
  circle w0.013: c-13.51,2.217 r2
  lines w0.013: -14.658,10.639 ccw(c-16.01,20.547) -6.01,20.547 -6.01,33.217 ccw(c-11.01,33.217) -11.01,38.217 -12.01,38.217 cw(c-12.01,43.717) -12.01,49.217 -11.01,49.217 ccw(c-11.01,54.217) -6.01,54.217 -6.01,66.886 ccw(c-16.01,66.886) -14.658,76.795 cw(c-13.51,85.217) -13.51,93.717 125.49,93.717 cw(c125.49,85.217) 126.639,76.795 ccw(c127.99,66.886) 117.99,66.886 117.99,54.217 ccw(c122.99,54.217) 122.99,49.217 123.99,49.217 cw(c123.99,43.717) 123.99,38.217 122.99,38.217 ccw(c122.99,33.217) 117.99,33.217 117.99,20.547 ccw(c127.99,20.547) 126.639,10.639 cw(c125.49,2.217) 125.49,-6.283 -13.51,-6.283 cw(c-13.51,2.217) -14.658,10.639 ; -4.81,-0.083 ccw(c0.19,-0.083) 0.19,-5.083 111.79,-5.083 ccw(c111.79,-0.083) 116.79,-0.083 116.79,87.517 ccw(c111.79,87.517) 111.79,92.517 0.19,92.517 ccw(c0.19,87.517) -4.81,87.517 -4.81,-0.083 ; -3.515,-0.083 ccw(c0.19,-0.083) 0.19,-3.789 111.79,-3.789 ccw(c111.79,-0.083) 115.496,-0.083 115.496,87.517 ccw(c111.79,87.517) 111.79,91.222 0.19,91.222 ccw(c0.19,87.517) -3.515,87.517 -3.515,-0.083

## Text inside footprints (layer, text, board x,y; h text height)
BUZZ1: Top Overlay "+" at 66.586,62.09 h1.52 r270
J11: Top Overlay "1" at 3.81,42.545 h1.43 r90
J16: Top Overlay "1" at 7.62,62.865 h1.43 r270
J17: Top Overlay "1" at 5.08,62.865 h1.43 r270
J18: Top Overlay "1" at 61.595,62.23 h1.43 r180
J25: Top Overlay "1" at 61.595,59.69 h1.43 r180
J26: Top Overlay "1" at 1.905,86.995 h1.43 r270
J27: Top Overlay "1" at 74.93,54.61 h1.43 r270
J28: Top Overlay "1" at 61.595,64.77 h1.43 r180
SW2: Top Overlay "ON" at 35.422,79.122 h1.02 r180
U5: Top Overlay "J1" at 88.375,51.03 h1.52; Top Overlay "J2" at 87.55,36.605 h1.52; Top Overlay "ZigBee Module" at 76.3,47.105 h1.52
U8: Top Overlay "1" at 77.47,54.61 h1.43 r270